# Altium PCB SAM_E54_Xplained_Pro.PcbDoc (part 2 of 5)
Units mm, origin at the board's own origin, x right, y up, seen from the top; angles counter-clockwise.
Board outline 80 x 100 mm, 4 copper layers (Top Layer LF-signals, GND, POWER, Bottom Layer LF-signals), stack 1.598 mm thick; 301 components, 262 nets, 1303 pads, 552 vias.
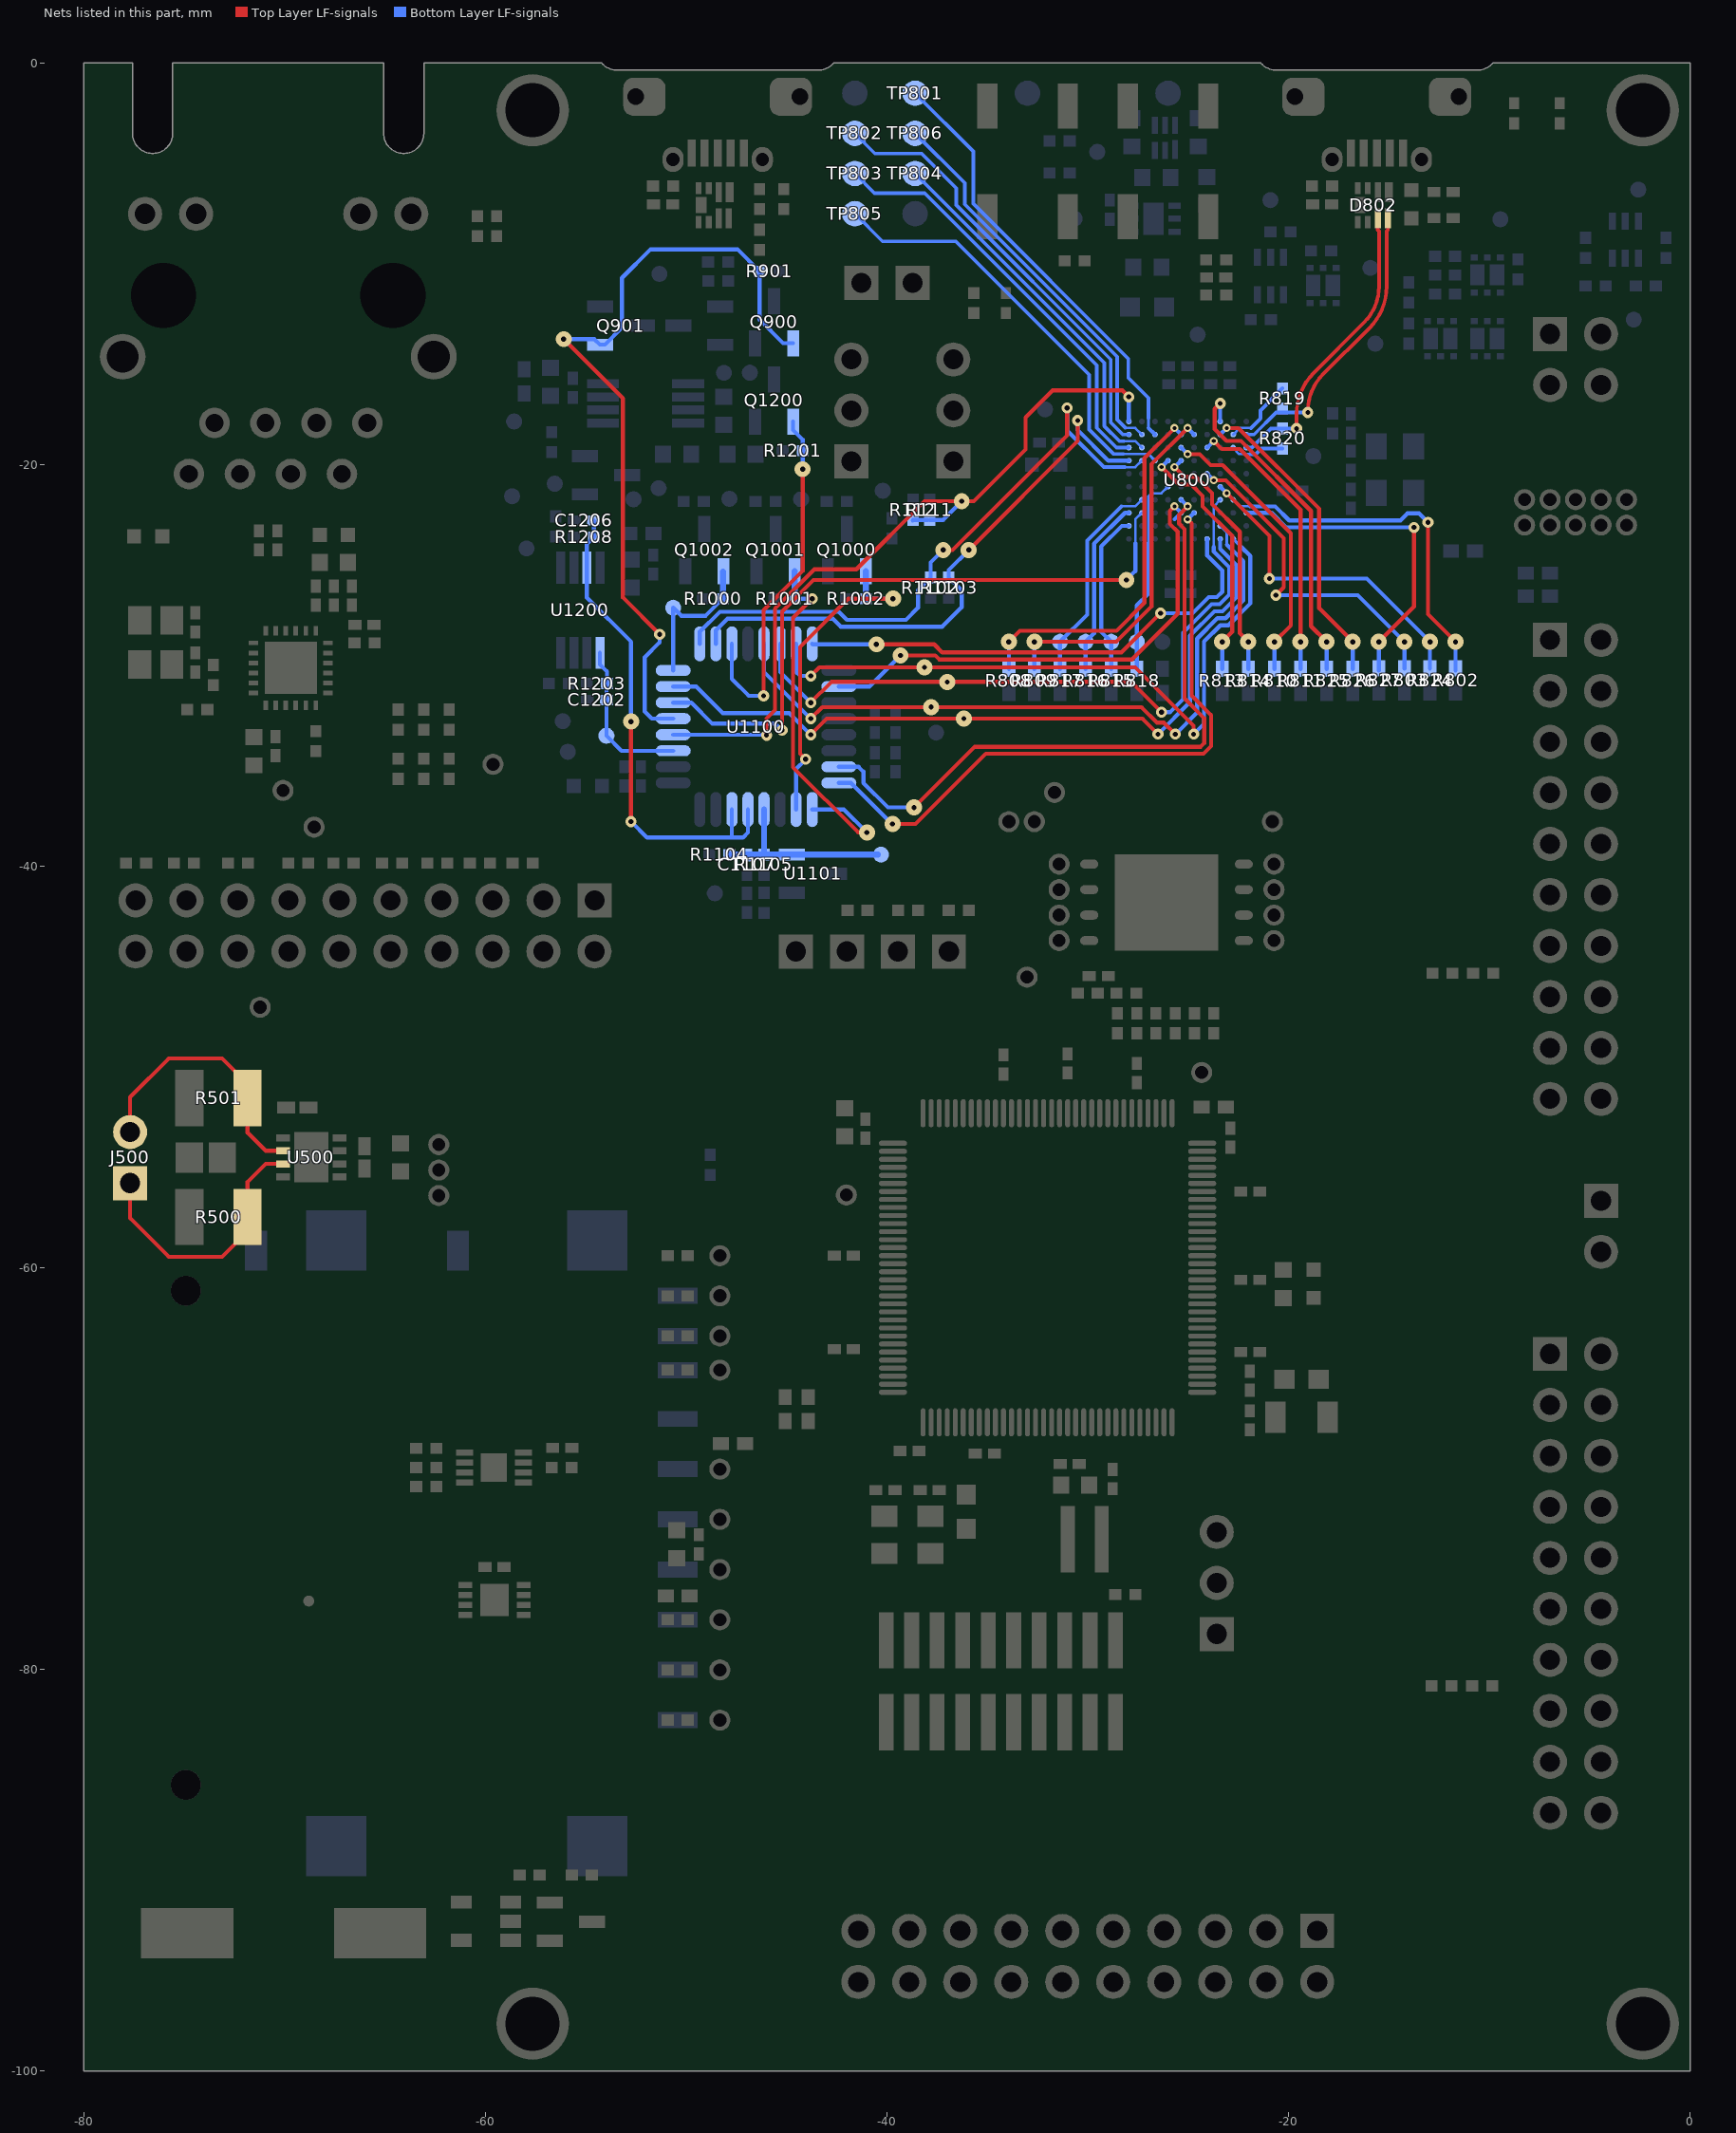
[diagram p4: the nets of this part, all layers, seen from the top]

## Footprints (in the part's own frame and the unit in brackets; to place one, negate y for a bottom-side part, rotate by r counter-clockwise, add the part's x,y. Pads: shape width x height; smd on the part's side, far side on the other; paste and mask are expansions set on the pad) (continued)
AP8-00852 [mm] "Hirose, ZX Series, USB Micro-AB Recept-RA"
  rect 0.4x1.35 smd: 1(-1.3,2.8) 2(-0.65,2.8) 3(0,2.8) 4(0.65,2.8) 5(1.3,2.8)
  rrect52% 2.1x1.9 hole 0.825 slot 1.5 at 90 deg copper offset 0.437,0: 6(-4.088,0)
  rrect52% 2.1x1.9 on Top Paste: 6(-3.6,0) 7(3.6,0)
  rrect52% 2.1x1.9 hole 0.825 slot 1.5 at 90 deg copper offset -0.437,0: 7(4.088,0)
  rrect100% 1.05x1.25 hole 0.65 slot 0.85 at 90 deg: 8(-2.225,3.125) 9(2.225,3.125)
  rrect100% 1.05x1.25 on Top Paste: 8(-2.225,3.125) 9(2.225,3.125)
  Top Layer LF-signals region: 0.25,-0.95 2.05,-0.95 2.05,0.95 0.25,0.95
  Top Layer LF-signals region: -2.05,-0.95 -0.25,-0.95 -0.25,0.95 -2.05,0.95
  Top Layer LF-signals region: 2.6,-0.95 4.2,-0.95 4.294,-0.941 4.381,-0.915 4.434,-0.891 4.48,-0.862 4.52,-0.832 4.565,-0.791 4.596,-0.753 4.622,-0.716 4.647,-0.673 4.66,-0.64 4.676,-0.6 4.688,-0.55 4.696,-0.505 4.7,-0.45 4.7,0.45 4.696,0.503 4.689,0.548 4.677,0.599 4.661,0.641 4.641,0.683 4.617,0.724 4.589,0.761 4.56,0.797 4.521,0.831 4.483,0.86 4.439,0.888 4.397,0.908 4.354,0.924 4.301,0.939 4.248,0.946 4.2,0.95 2.6,0.95
  Top Layer LF-signals region: -2.6,0.95 -4.2,0.95 -4.294,0.941 -4.381,0.915 -4.434,0.891 -4.48,0.862 -4.52,0.832 -4.565,0.791 -4.596,0.753 -4.622,0.716 -4.647,0.673 -4.66,0.64 -4.676,0.6 -4.688,0.55 -4.696,0.505 -4.7,0.45 -4.7,-0.45 -4.696,-0.503 -4.689,-0.548 -4.677,-0.599 -4.661,-0.641 -4.641,-0.683 -4.617,-0.724 -4.589,-0.761 -4.56,-0.797 -4.521,-0.831 -4.483,-0.86 -4.439,-0.888 -4.397,-0.908 -4.354,-0.924 -4.301,-0.939 -4.248,-0.946 -4.2,-0.95 -2.6,-0.95
  Top Layer LF-signals pour cut-out: -3.75,1.975 3.75,1.975 3.75,-1.325 -3.75,-1.325
  Bottom Layer LF-signals region: -2.6,0.95 -4.2,0.95 -4.294,0.941 -4.381,0.915 -4.434,0.891 -4.48,0.862 -4.52,0.832 -4.565,0.791 -4.596,0.753 -4.622,0.716 -4.647,0.673 -4.66,0.64 -4.676,0.6 -4.688,0.55 -4.696,0.505 -4.7,0.45 -4.7,-0.45 -4.696,-0.503 -4.689,-0.548 -4.677,-0.599 -4.661,-0.641 -4.641,-0.683 -4.617,-0.724 -4.589,-0.761 -4.56,-0.797 -4.521,-0.831 -4.483,-0.86 -4.439,-0.888 -4.397,-0.908 -4.354,-0.924 -4.301,-0.939 -4.248,-0.946 -4.2,-0.95 -2.6,-0.95
  Bottom Layer LF-signals region: 2.6,-0.95 4.2,-0.95 4.294,-0.941 4.381,-0.915 4.434,-0.891 4.48,-0.862 4.52,-0.832 4.565,-0.791 4.596,-0.753 4.622,-0.716 4.647,-0.673 4.66,-0.64 4.676,-0.6 4.688,-0.55 4.696,-0.505 4.7,-0.45 4.7,0.45 4.696,0.503 4.689,0.548 4.677,0.599 4.661,0.641 4.641,0.683 4.617,0.724 4.589,0.761 4.56,0.797 4.521,0.831 4.483,0.86 4.439,0.888 4.397,0.908 4.354,0.924 4.301,0.939 4.248,0.946 4.2,0.95 2.6,0.95
  silkscreen extent -4.05,1.22 4.05,3.13, body extent -4.32,-2.65 4.33,3.25, height 2.78
AP8-00910 [mm] "FTSH-110-01-F-DV-007-K"
  rect 2.79x0.74 smd: 1(-2.035,5.715) 2(2.035,5.715) 3(-2.035,4.445) 4(2.035,4.445) 5(-2.035,3.175) 6(2.035,3.175) 7(-2.035,1.905) 8(2.035,1.905) 9(-2.035,0.635) 10(2.035,0.635) 11(-2.035,-0.635) 12(2.035,-0.635) 13(-2.035,-1.905) 14(2.035,-1.905) 15(-2.035,-3.175) 16(2.035,-3.175) 17(-2.035,-4.445) 18(2.035,-4.445) 19(-2.035,-5.715) 20(2.035,-5.715)
  silkscreen extent -3.95,-2.54 3.94,7.33, body extent -2.92,-6.31 2.92,6.31, height 6.11
AP8-01033 [mil] "HFJ11-2450E - fast jack, 10/100Base-TX, THT, RJ45, integrated magnetics"
  rect 0x0 hole 128 unplated: 0(-225,0) 0(225,0)
  round 60 hole 35: 1(-175,250) 2(-125,350) 3(-75,250) 4(-25,350) 5(25,250) 6(75,350) 7(125,250) 8(175,350)
  round 60 on Top Paste: 1(-175,250) 2(-125,350) 3(-75,250) 4(-25,350) 5(25,250) 6(75,350) 7(125,250) 8(175,350)
  round 67 hole 40: 9(-261,-160) 10(-161,-160) 11(161,-160) 12(261,-160)
  round 67 on Top Paste: 9(-261,-160) 10(-161,-160) 11(161,-160) 12(261,-160)
  round 90 hole 63: 13(-305,120) 14(305,120)
  round 90 on Top Paste: 13(-305,120) 14(305,120)
  silkscreen extent -317,-433 317,425, body extent -374,-429 374,421, height 599
AP9-00044 [mm]
  rect 1x0.95 smd paste-1: 1(-0.85,0) 2(0.85,0)
  Top Layer LF-signals region: -0.451,0.15 0.449,0.15 0.449,-0.15 -0.451,-0.15
  silkscreen extent -1.6,-0.72 1.6,0.72, body extent -0.8,-0.4 0.8,0.4, height 0.3
? [mm]
  round 0.55 smd paste-1 mask-1: 1(3.88,3.002)
  GND region: -5.62,-4.499 -5.62,5.502 6.38,5.502 6.38,-6.498 -5.62,-6.498 -5.62,-4.499 4.38,-4.499 4.38,3.502 -3.62,3.502 -3.621,-4.499

## Part data
C100 C101 C102 C202 C501 C1201 C1203: library part A01-0377, "Ceramic capacitor, SMD 0603, X5R, 10V, 10% (de31036)", Manufacturer="WALSIN Technology Corporation", MPN=0603X475K100CT, TemperatureRange="-55 - +85 deg C", Tolerance=10%, AN=A01-0377, Height=0,800000011920929, PartGroup="Capacitors,Ceramic,SMD 0603"
C103 C105 C601 C604: library part A01-0791, "Ceramic capacitor, SMD 0603, X5R,10V, ±20%", Manufacturer=Murata, MPN=GRM188R61A226ME15D, Tolerance=±20%, AN=A01-0791, PartGroup="Capacitors,Ceramic,SMD 0603"
C104: library part A01-0050, "Ceramic capacitor, SMD 0402, X7R, 25V, +/-10%", Manufacturer="YAGEO CORP", MPN=CC0402KRX7R8BB103, TemperatureRange="-55 - +125 deg C", Tolerance="25V, +/-10%", AN=A01-0050, Height=0,550000011920929, PartGroup="Capacitors,Ceramic,SMD 0402"
C200: library part A01-0046, "Ceramic capacitor, SMD 0402, X7R, 25V, +/-10% (de35287)", Manufacturer=PHYCOMP, MPN="2238 587 15632", TemperatureRange="-55 - +125 deg C", Tolerance="25V, +/-10%", AN=A01-0046, Height=0,550000011920929, PartGroup="Capacitors,Ceramic,SMD 0402"
C201 C203 C204 C205 C207 C208 C209 C210 C211 C212 C213 C214 C215 C216 C502 C503 C600 C603 C605 C606 C607 C613 C700 C701 C703 C705 C806 C810 C811 C812 C813 C1100 C1101 C1104 C1107 C1200 C1204: library part A01-0246, "Ceramic capacitor, SMD 0402, X7R, 16V, +/-10%", Manufacturer=Kemet, MPN=C0402C104K4RACTU, TemperatureRange="-55 - +125 deg C", Tolerance="16V, +/-10%", AN=A01-0246, Height=0,5, PartGroup="Capacitors,Ceramic,SMD 0402"
C206 C217 C704: library part A01-0461, "Ceramic capacitor, SMD 0603, X5R, 10V, 10UF ± 20%", Manufacturer=AVX, MPN=0603ZD106MAT2A, TemperatureRange="-55°C to +85°C", Tolerance="± 20%", AN=A01-0461, PartGroup="Capacitors,Ceramic,SMD 0603"
C300 C301: library part A01-0013, "Ceramic capacitor, SMD 0402, NP0, 50V, +/-5%", Manufacturer="YAGEO CORP", MPN=CC0402CRNPO9BN6R8, TemperatureRange="-55 - +125 deg C", Tolerance="50V, +/-5%", AN=A01-0013, Height=0,550000011920929, PartGroup="Capacitors,Ceramic,SMD 0402"
C302 C303: library part A01-0783, "Ceramic capacitor, SMD 0402, NP0, 50V, +/-0.25pF", Manufacturer=Murata, MPN=GRM1555C1H5R0CA01D, TemperatureRange="-55 to 125C", Tolerance=+/-0.25pF, AN=A01-0783, Height=0,550000011920929, PartGroup="Capacitors,Ceramic,SMD 0402"
C304: library part A01-0732, "Electric Double-Layer (Supercapacitor), 5.5V, 47mF, SMD, 10.5mm diameter, 50Ω ESR", Manufacturer=Kemet, MPN=FC0H473ZFTBR24, TemperatureRange="-25°C to +70°C", Tolerance=-20/+80%, AN=A01-0732, Height=5,5, PartGroup=Capacitors,Other
C305 C805: library part A01-0046, "Ceramic capacitor, SMD 0402, X7R, 25V, +/-10%", Manufacturer=PHYCOMP, MPN="2238 587 15632", TemperatureRange="-55 - +125 deg C", Tolerance="25V, +/-10%", AN=A01-0046, Height=0,550000011920929, PartGroup="Capacitors,Ceramic,SMD 0402"
C500: library part A01-0400, "Ceramic capacitor, SMD 0805, X5R, 25V, ±10 %", Manufacturer=Murata, MPN=GRM21BR61E475KA12L, Tolerance=±10%, AN=A01-0400, Height=1,25, PartGroup="Capacitors,Ceramic,SMD 0805"
C602 C609: library part A01-0016, "Ceramic capacitor, SMD 0402, NP0, 50V, +/-5%", Manufacturer=Kemet, MPN=C0402C120J5GAC7867, TemperatureRange="-55 - +125 deg C", Tolerance="50V, +/-5%", AN=A01-0016, Height=0,550000011920929, PartGroup="Capacitors,Ceramic,SMD 0402"
C608 C807 C809 C814 C815: library part A01-0300, "Ceramic capacitor, SMD 0402, X5R, 6.3V, +/-20%", Manufacturer=Kemet, MPN=C0402C225M9PAC, TemperatureRange="-55°C to +85°C", Tolerance=±20%, AN=A01-0300, Height=0,5, PartGroup="Capacitors,Ceramic,SMD 0402"
C800 C801: library part A01-0017, "Ceramic capacitor, SMD 0402, NP0, 50V, +/-5%", Manufacturer=AVX, MPN=04025A150JAT2A, TemperatureRange="-55 - +125 deg C", Tolerance="50V, +/-5%", AN=A01-0017, Height=0,550000011920929, PartGroup="Capacitors,Ceramic,SMD 0402"
C802 C803 C808 C1106: library part A01-0321, "Ceramic capacitor, SMD 0402, C0G, 50V, +/-5%", Manufacturer=Murata, MPN=GRM1555C1H102JA01D, Tolerance=5%, AN=A01-0321, Height=0,550000011920929, PartGroup="Capacitors,Ceramic,SMD 0402"
C804: library part A01-0015, "Ceramic capacitor, SMD 0402, NP0, 50V, +/-5%", Manufacturer=AVX, MPN=04025A100JAT2A, TemperatureRange="-55 - +125 deg C", Tolerance="50V, +/-5%", AN=A01-0015, Height=0,550000011920929, PartGroup="Capacitors,Ceramic,SMD 0402"
C1102 C1103: library part A01-0286, "Ceramic capacitor, SMD 0402, X5R, 6.3V, +/-10% (de26942)", Manufacturer=Kemet, MPN=C0402C105K9PAC, TemperatureRange="-55 to 85 deg C", Tolerance=+/-10%, AN=A01-0286, Height=0,5, PartGroup="Capacitors,Ceramic,SMD 0402"
C1105: library part A01-0397, "Ceramic capacitor, SMD 0402, X7R, 25V, ±10%", Manufacturer=Murata, MPN=GRM155R71E333KA88D, TemperatureRange="-55 to 125°C", Tolerance=±10%(K), AN=A01-0397, Height=0,5, PartGroup="Capacitors,Ceramic,SMD 0402"
C1202 C1206: library part A01-0028, "Ceramic capacitor, SMD 0402, X7R, 50V, +/-10%", Manufacturer="YAGEO CORP", MPN=CC0402KRX7R9BB151, TemperatureRange="-55 - +125 deg C", Tolerance="50V, +/-10%", AN=A01-0028, Height=0,550000011920929, PartGroup="Capacitors,Ceramic,SMD 0402"
CS300: library part QTouchButton, "QTouch Button"
D300 D801: library part A10-0182, "LED, SMD 0402, Yellow, Wave length=586nm, 7.6mcd @ (1mA, 1.9Vf)", Manufacturer=ROHM, MPN=SML-P11YT-T86, TemperatureRange="-40 to +85", AN=A10-0182, Height=0,200000002980232, PartGroup=Opto,LEDs,SMD
D301 D802: library part A04-0195, "EMI2121, SZEMI2121 Single Pair Common Mode Filter with ESD Protection", Manufacturer="ON Semiconductor", MPN=EMI2121MTTAG, TemperatureRange="−40 to +85 °C", AN=A04-0195, Height=0,800000011920929, PartGroup="Diodes,Transient suppression"
D800: library part A10-0183, "LED, SMD 0402, Green, Wave length=569nm, 2.1mcd @ (1mA, 1.9Vf)", Manufacturer=ROHM, MPN=SML-P11MT-T86, TemperatureRange="-40 to +85", AN=A10-0183, Height=0,200000002980232, PartGroup=Opto,LEDs,SMD
E1 E2 E3 E4: library part A08-0053, "2.8mm adhesive feet,diam 8.0mm", Manufacturer=3M, MPN=SJ-5076, AN=A08-0053, Height=2,79999995231628, PartGroup="Mechanical devices,Mounting accessories"
J100 J102 J302: library part A08-1799, "1x3 pin header, 2.54mm pitch, Pin-in-Paste THM, 1mm hole", Manufacturer=SAMTEC, MPN=HMTSW-103-23-F-S-237, AN=A08-1799, Height=6,09999990463257, PartGroup="Mechanical devices,Connectors,Pin headers"
J101 J300 J301: library part A09-0783, "Default closed SMD strap, 0603 size", AN=A09-0783, Height=0, PartGroup="Mechanical devices,PCB implemented components"
J103: library part A08-0764, "1x2 pin header, right angle, 2.54 mm pitch, through-hole", Manufacturer="Pro-data International Corp", MPN=2213R-2G, AN=A08-0764, Height=2,53999996185303, PartGroup="Mechanical devices,Connectors,Pin headers"
J303 J800: library part A08-2112, "Micro USB AB Connector, Standard SMT + DIP", Manufacturer=HIROSE, MPN=ZX62D-AB-5P8(30), AN=A08-2112, Height=2,79999995231628, PartGroup="Mechanical devices,Connectors,USB"
J400: library part A08-1519, "Pin header, 2x2, Right Angle, 2.54mm, THT, Pin In Paste", Manufacturer="Pro-data International Corp", MPN=P101-2*02RGF-139-ND, AN=A08-1519, Height=5,07999992370605, PartGroup="Mechanical devices,Connectors,Pin headers"
J401 J402 J403: library part A08-1513, "Pin header, 2x10, Right Angle, 2.54mm, THM, Pin In Paste", Manufacturer="Pro-data International Corp", MPN=P101-2*10RGF-139-ND, AN=A08-1513, PartGroup="Mechanical devices,Connectors,Pin headers"
J404: library part A08-0385, "2x5 pin header, 1.27mm pitch, THM", Manufacturer=Garry, MPN=176-2-010-0-T-XS0-0730, AN=A08-0385, Height=7,30000019073486, PartGroup="Mechanical devices,Connectors,Pin headers"
J405: library part A08-2290, "SAMTEC FTSH series 50-mil header, shrouded, pin 7 removed, SMD", Manufacturer=SAMTEC, MPN=FTSH-110-01-F-DV-007-K, TemperatureRange="-55°C to +125°C", AN=A08-2290, Height=6,1100001335144, PartGroup="Mechanical devices,Connectors,Pin headers"
J406: library part A08-1801, "2x10 pin header, 2.54mm pitch, Pin-in-Paste THM, 1mm hole", Manufacturer=SAMTEC, MPN=HMTSW-110-23-F-D-237, AN=A08-1801, Height=6,09999990463257, PartGroup="Mechanical devices,Connectors,Pin headers"
J407: library part A08-1653, "1x4 pin header, 2.54mm pitch, Pin-in-Paste THM", Manufacturer=SAMTEC, MPN=HMTSW-104-23-F-S-237, TemperatureRange="- 55 �C to + 125 �C", AN=A08-1653, Height=6,09999990463257, PartGroup="Mechanical devices,Connectors,Pin headers"
J408 J500: library part A08-1754, "1x2 pin header, 2.54mm pitch, Pin-in-Paste THM", Manufacturer=SAMTEC, MPN=HMTSW-102-23-F-S-237, TemperatureRange="- 55 deg C to + 125 deg C", AN=A08-1754, Height=6,09999990463257, PartGroup="Mechanical devices,Connectors,Pin headers"
J600: library part A08-2651, "10/100Base-TX, THT, RJ45, green and yellow LEDs, integrated magnetics", Manufacturer="Halo Electronis", MPN=HFJ11-2450E-L12RL, TemperatureRange="0 C to + 70 C", AN=A08-2651, PartGroup="Mechanical devices,Connectors,Other"
J700: library part A08-0816, "SD/MMC socket, 2.7mm, push-push, SMD", Manufacturer=Kyocera-elco, MPN="KYOCERA - 14 5738 009 220 859+", TemperatureRange="-25 deg C to 90 deg C", AN=A08-0816, Height=2,70000004768372, PartGroup="Mechanical devices,Connectors,Memory cards"
JS100 JS101 JS102 JS300: library part A08-0543, "Jumper cap for 2.54mm pinheader", Manufacturer=SAMTEC, MPN=SNT-100-BK-G, AN=A08-0543, PartGroup="Mechanical devices,Mounting accessories,Other"
L200: library part A03-0191, "10uH power inductor, Isat = 560mA , Itemp = 710mA, Rdc = 0.360ohm", Manufacturer=Murata, MPN=LQH3NPN100MJ0, TemperatureRange="-40 - 85°C", Tolerance=±20%, AN=A03-0191, Height=1,10000002384186, PartGroup="Inductors,Power Inductors"
L201 L600 L602 L800 L801 L1100: library part A03-0035, "SMD RF inductor 0603. Z=470Ohm (@100MHz), Max R(dc)=0.65Ohm, Max current=1A", Manufacturer=Murata, MPN=BLM18PG471SN1, TemperatureRange=-55, AN=A03-0035, Height=0,800000011920929, PartGroup=Inductors,EMI
L1200 L1201: library part A03-0037, "SMD RF inductor 0402. Z=220Ohm (@100MHz), Max R(dc)=0.80Ohm, Max current=200mA", Manufacturer=Murata, MPN=BLM15BB221SN1, TemperatureRange="-55°C to +125°C", Tolerance=±25%, AN=A03-0037, Height=0,5, PartGroup=Inductors,EMI
LABEL1: library part A09-0611, "PCBA identification label PP Top White Gloss", Manufacturer="ACT Logimark AS", MPN=505462, AN=A09-0611, PartGroup="Mechanical devices,Packaging materials,Printed Labels"
Q100 Q101 Q102 Q103: library part A05-0171, "MOSFET 20V 3.8A DUAL P-CHAN, Rds 70 mOhms, Vgs 12V, Vds -20", Manufacturer="Diodes Incorporated", MPN=DMP2160UFDB-7, TemperatureRange="-55 C to +150 C", AN=A05-0171, Height=0,605000019073486, PartGroup="Transistors,Power FET,SMD"
Q104 Q800: library part A05-0051, "Dual N-Channel MOSFET, 60V, 115mA cont,RDS(ON) < 7.5 Ohm @50mA@5V, SOT-363", Manufacturer=Fairchild, MPN=2N7002DW, TemperatureRange="-65 to 150 deg C", AN=A05-0051, Height=1,10000002384186, PartGroup="Transistors,Small signal FET,SMD"
Q300 Q1200: library part A05-0087, "P-ch. MOSFET. -30V, -3.7A continuous,RDS(ON)=0.05Ohm@VGS=-4,5V, RDS(ON)=0.08Ohm@VGS=-2.5V", Manufacturer="International Rectifier", MPN=IRLML6402PBF, TemperatureRange="-55 - +150 deg C", AN=A05-0087, Height=1,14999997615814, PartGroup="Transistors,Power FET,SMD"
Q900: library part A05-0130, "P-Channel Digital FET. -30V, -3.5A continuous, -14A Peak. RDS(ON)=48mOhm@VGS=-4.5V, RDS(ON)=71mOhm@VGS=-2.5V. VGS(th)<1.25V", Manufacturer=NXP, MPN=PMV48XP,215, TemperatureRange="-55°C to +150°C", AN=A05-0130, PartGroup="Transistors,Power FET,SMD"
Q901 Q1201: library part A05-0140, "Low leakage N-Channel MOSFET. 60V, 0.23A continuous, 0.92A Peak. RDS(ON) = 3.5Ohm@VGS=4.5V, VGS(th)<1.4V", Manufacturer=Infineon, MPN=BSS138N, TemperatureRange="-55  to +150 deg celcius", AN=A05-0140, Height=1,10000002384186, PartGroup="Transistors,Small signal FET,SMD"
Q902 Q1000 Q1001 Q1002: library part A05-0132, "P-Channel Digital FET. -60V, -0.3A continuous, -1.2A Peak. RDS(ON)=2.5@VGS=-10V, RDS(ON)=<5 ohm @VGS=-2.5V. VGS(th)<1.9V", Manufacturer=NXP, MPN=BSH201,215, AN=A05-0132, PartGroup="Transistors,Small signal FET,SMD"
R100 R102 R104 R105 R106 R107 R108 R109 R200 R602 R704 R706 R707 R708 R709 R712 R901 R902 R1000 R1001 R1002 R1201: library part A02-0260, "Thick film resistor, SMD 0402, 1/16W, 1%", Manufacturer=ASJ, MPN=CR10-1003-FK, TemperatureRange="-55� to +125�C", Tolerance="1 %", AN=A02-0260, Height=0,349999994039536, PartGroup="Resistors,SMD,0402 1%"
R101 R103 R204 R205 R206 R207 R208 R621 R622 R623 R624 R625 R626 R628 R629 R630 R803 R808 R812 R813 R814 R816 R817 R818 R824 R827: library part A02-0163, "RES 0.0 OHM 1/16W 0402 SMD", Manufacturer=(n/a), MPN=RMCF0402ZT0R00, TemperatureRange="-55 - +125 deg C", Tolerance="1 %", AN=A02-0163, Height=0,349999994039536, PartGroup="Resistors,SMD,0402 1%"
R110 R111 R112 R305 R1005: library part A02-0252, "Thick film resistor, SMD 0402, 1/16W, 1%", Manufacturer=KOA, MPN=RK73H1ETTP4702F, TemperatureRange="-55 - +125 deg C", Tolerance="1 %", AN=A02-0252, Height=0,349999994039536, PartGroup="Resistors,SMD,0402 1%"
R201 R300 R802 R819 R820 R1003: library part A02-0178, "Thick film resistor, SMD 0402, 1/16W, 1%", Manufacturer=ASJ, MPN=CR10-39R0-FK, TemperatureRange="-55 - +125 deg C", Tolerance="1 %", AN=A02-0178, Height=0,349999994039536, PartGroup="Resistors,SMD,0402 1%"
R202 R203 R209 R308 R700 R701 R702 R703 R705 R710 R711 R1203 R1208 R1209: library part A02-0236, "Thick film resistor, SMD 0402, 1/16W, 1%", Manufacturer=vishay, MPN=CRCW040210K0FKED, TemperatureRange="-55 - +125 deg C", Tolerance="1 %", AN=A02-0236, Height=0,349999994039536, PartGroup="Resistors,SMD,0402 1%"
R220 R221 R1104 R1207: library part A02-0219, "Thick film resistor, SMD 0402, 1/16W, 1%", TemperatureRange="-55 - +125 deg C", Tolerance="1 %", AN=A02-0219, Height=0,349999994039536, PartGroup="Resistors,SMD,0402 1%"
R222 R301 R304 R600 R615 R616 R618 R619 R800 R801 R805 R806 R823: library part A02-0212, "Thick film resistor, SMD 0402, 1/16W, 1%", Manufacturer=ASJ, MPN=CR10-1001-FK, TemperatureRange="-55 - +125 deg C", Tolerance="1 %", AN=A02-0212, Height=0,349999994039536, PartGroup="Resistors,SMD,0402 1%"
R223 R224: library part A02-0226, "Thick film resistor, SMD 0402, 1/16W, 1%", TemperatureRange="-55 - +125 deg C", Tolerance="1 %", AN=A02-0226, Height=0,349999994039536, PartGroup="Resistors,SMD,0402 1%"
R302 R601 R603: library part A02-0196, "Thick film resistor, SMD 0402, 1/16W, 1%", Manufacturer=ASJ, MPN=CR10-2200-FK, TemperatureRange="-55 - +125 deg C", Tolerance="1 %", AN=A02-0196, Height=0,349999994039536, PartGroup="Resistors,SMD,0402 1%"
R303: library part A02-0247, "Thick film resistor, SMD 0402, 1/16W, 1%", Manufacturer=ASJ, MPN=CR10-3002-FK, TemperatureRange="-55� to +155�C", Tolerance="1 %", AN=A02-0247, Height=0,349999994039536, PartGroup="Resistors,SMD,0402 1%"
R306 R804 R807 R822: library part A02-0284, "Thick film resistor, SMD 0402, 1/16W, 1%", Manufacturer=ASJ, MPN=CR10-1004-FK, TemperatureRange="-55 - +125 deg C", Tolerance="1 %", AN=A02-0284, Height=0,349999994039536, PartGroup="Resistors,SMD,0402 1%"
R307 R809 R810 R811 R815 R825 R826: library part A02-0200, "Thick film resistor, SMD 0402, 1/16W, 1%", Manufacturer=ASJ, MPN=CR10-3300-FK, TemperatureRange="-55 - +125 deg C", Tolerance="1 %", AN=A02-0200, Height=0,349999994039536, PartGroup="Resistors,SMD,0402 1%"